# Altium PCB PROC114E3_BRD.PcbDoc (part 5 of 18) (continued)
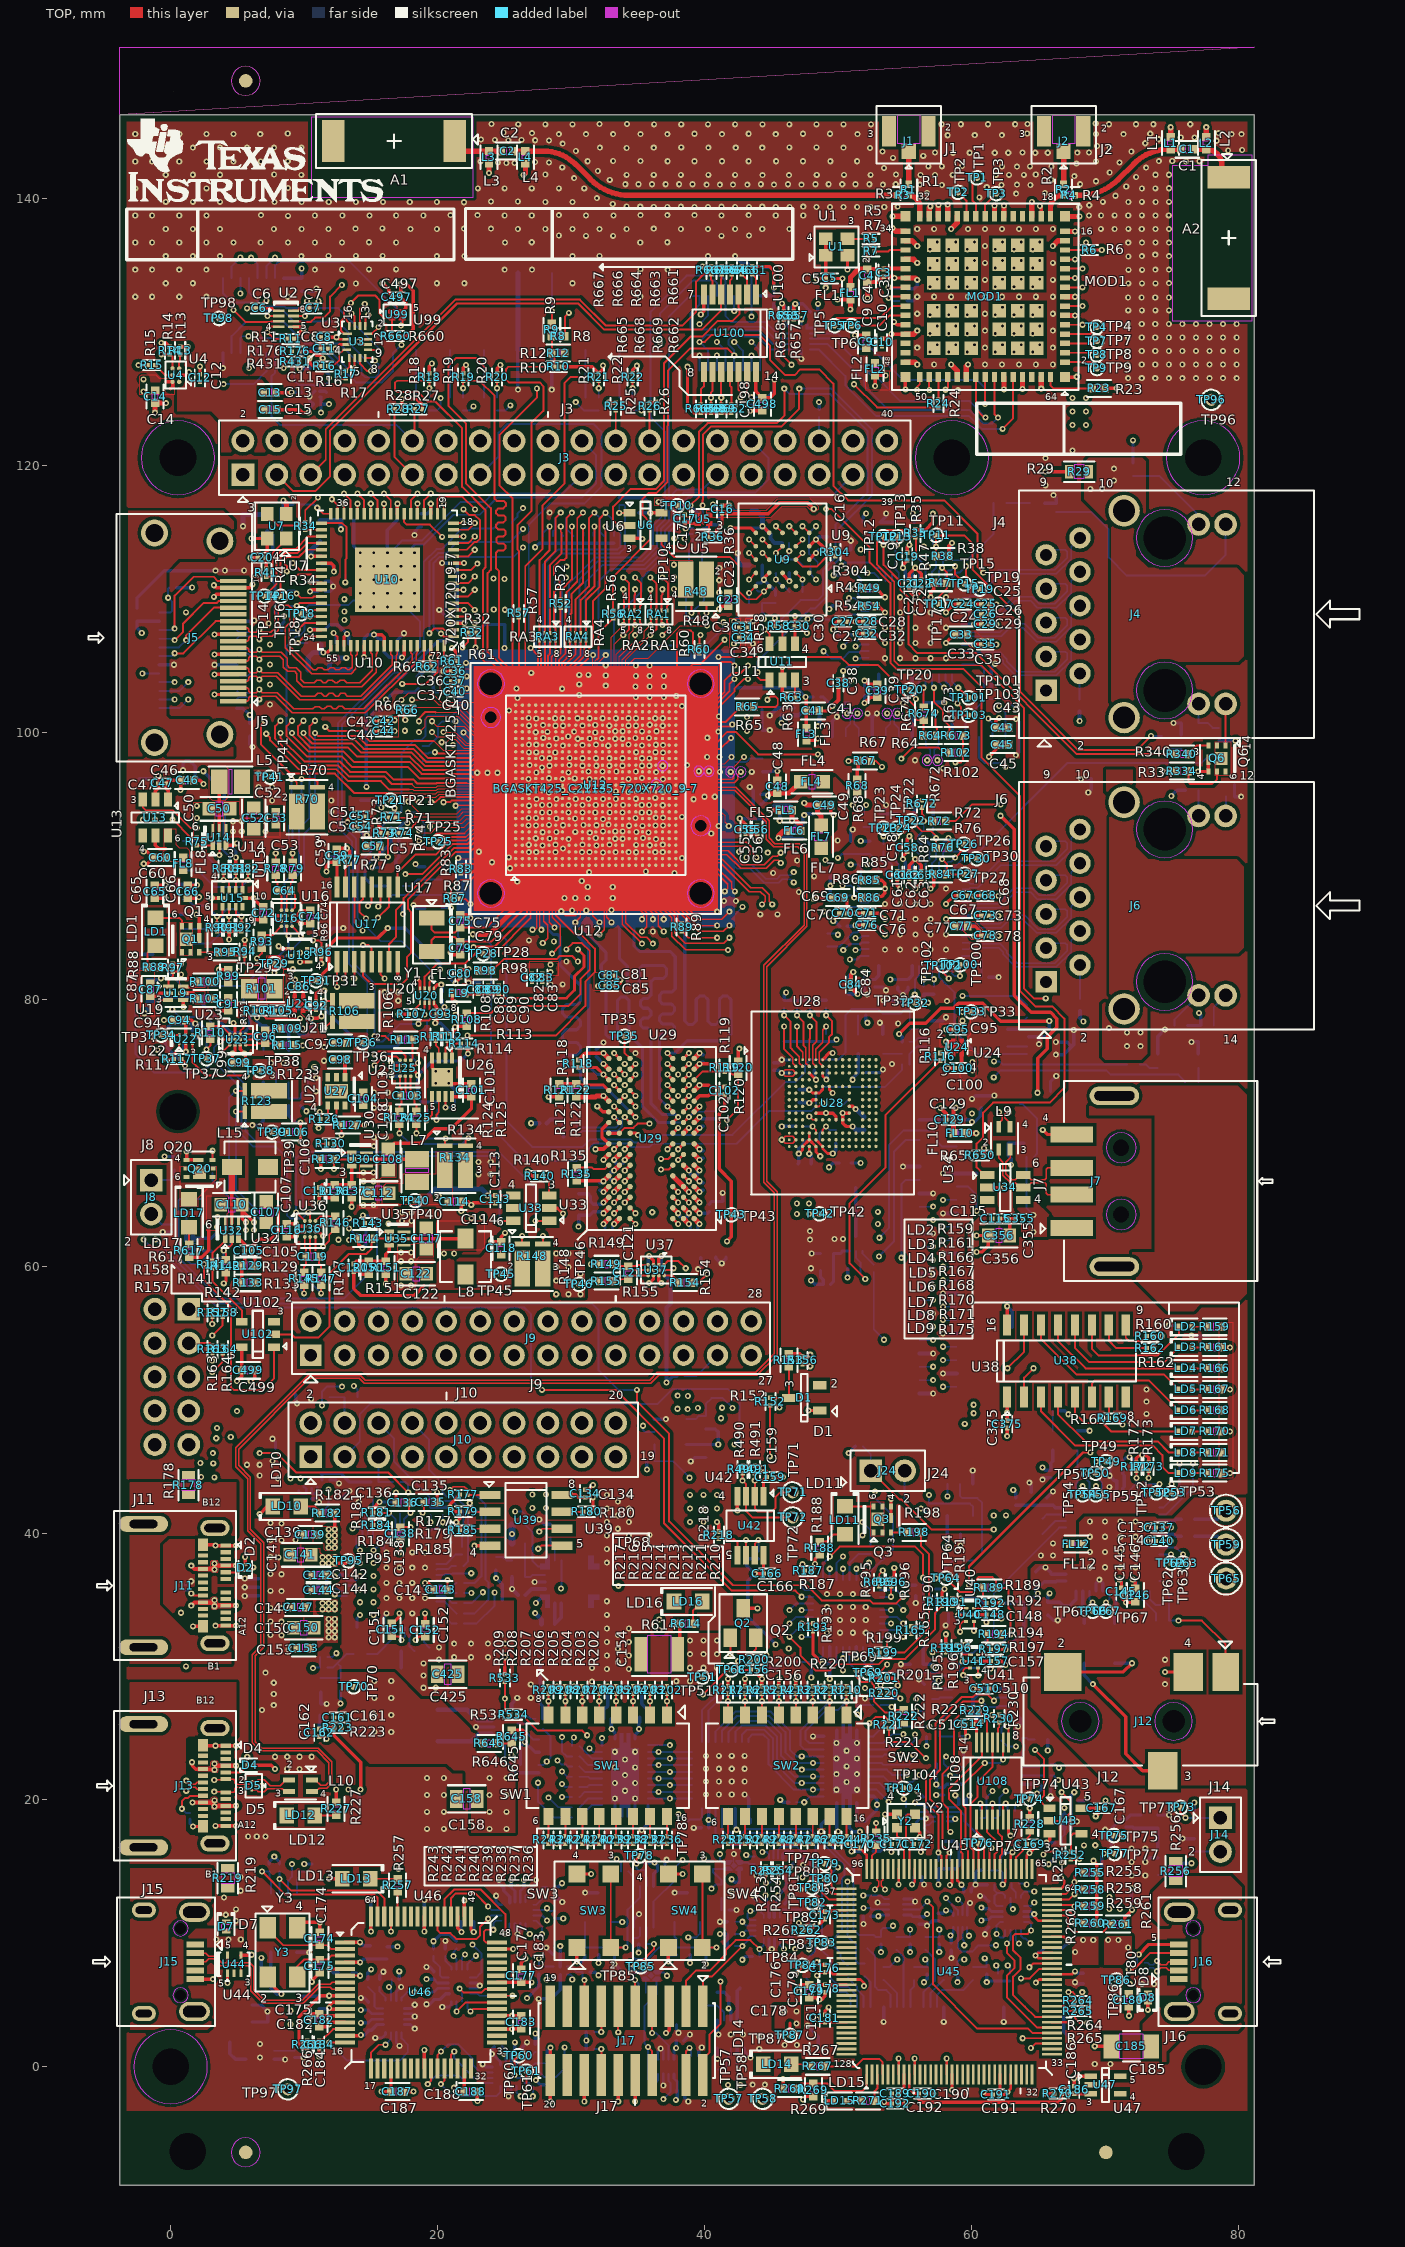
[diagram p0: TOP view]
## Nets (pads, with @x,y where several pads share a name; then routed paths per layer and width w, separated by ;. In a path a pad name is that pad's centre, name@x,y a point inside that pad or via, vN(x,y) a via of type N, cw(c..) or ccw(c..) an arc to the next point about the centre after c; other vN are vias at no path point) (continued)
  L03_SIG1 w0.091: 40.977,53.327 38.379,50.729 38.379,50.096 38.09,49.807 37.793,49.807 37.487,49.501 37.487,48.381 37.022,47.916 37.022,36.459 41.952,31.529 v1(41.952,30.944)
  BOTTOM w0.147: 38.495,51.75 39.4,51.75 40.977,53.327
CPSW1_GPIO_0:  | length 2.6
  BOTTOM w0.147: 78.173,78.04 78.173,79.398 79.069,80.294
CPSW1_LED_1000:  | length 1.4
  BOTTOM w0.147: 79.069,93.744 79.08,93.755 79.08,95.187
CPSW1_LED_ACT:  | length 3
  BOTTOM w0.147: 75.235,78.04 75.235,78.492 77.037,80.294
CPSW2_GPIO_0:  | length 6.9
  TOP w0.147: 76.275,97.106 76.275,96.267 76.403,96.139 78.054,96.139 78.419,96.504 78.419,97.072 ; 79.069,99.023 79.069,102.138
CPSW2_LED_1000:  | length 18.9
  BOTTOM w0.147: 66.368,116.535 68.985,116.535 70.296,115.225 70.296,113.116 71.667,111.745 77.509,111.745 79.069,113.305 79.069,115.588
CPSW2_LED_ACT:  | length 3.1
  BOTTOM w0.147: 77.037,102.138 77.037,100.715 77.042,100.711 77.72,100.711 78.083,100.348 78.576,100.348
CPSW_ETH1_D0N:  | length 11.2
  BOTTOM w0.108: 59.317,88.253 59.812,88.253 59.917,88.358 60.502,88.358 62.193,90.049 66.38,90.049 67.476,91.145 67.476,92.063 68.147,92.734
CPSW_ETH1_D0P:  | length 11.2
  BOTTOM w0.108: 59.317,88.753 59.812,88.753 59.917,88.648 60.381,88.648 62.073,90.339 66.26,90.339 67.187,91.266 67.187,91.698 67.053,91.831 65.974,91.831 65.607,91.464
CPSW_ETH1_D1M:  | length 11.2
  BOTTOM w0.108: 59.317,86.753 59.812,86.753 59.917,86.858 62.151,86.858 63.314,88.021 64.45,88.021 64.962,87.509 66.38,87.509 67.476,88.605 67.476,89.523 68.147,90.194
CPSW_ETH1_D1P:  | length 11.2
  BOTTOM w0.108: 59.317,87.253 59.812,87.253 59.917,87.148 62.031,87.148 63.194,88.311 64.571,88.311 65.082,87.799 66.26,87.799 67.187,88.726 67.187,89.158 67.053,89.291 65.974,89.291 65.607,88.924
CPSW_ETH1_D2M:  | length 11.2
  BOTTOM w0.108: 59.317,85.253 59.812,85.253 59.917,85.358 62.251,85.358 62.898,86.004 63.876,86.004 64.911,84.969 66.38,84.969 67.476,86.065 67.476,86.983 68.147,87.654
CPSW_ETH1_D2P:  | length 11.2
  BOTTOM w0.108: 59.317,85.753 59.812,85.753 59.917,85.648 62.131,85.648 62.777,86.294 63.997,86.294 65.032,85.259 66.26,85.259 67.187,86.186 67.187,86.618 67.053,86.751 65.974,86.751 65.607,86.384
CPSW_ETH1_D3M:  | length 11.2
  BOTTOM w0.108: 59.317,83.753 59.812,83.753 59.917,83.858 62.06,83.858 62.386,83.532 62.386,83.357 63.314,82.429 66.38,82.429 67.476,83.525 67.476,84.443 68.147,85.114
CPSW_ETH1_D3P:  | length 11.2
  BOTTOM w0.108: 59.317,84.253 59.812,84.253 59.917,84.148 62.18,84.148 62.676,83.652 62.676,83.478 63.434,82.719 66.26,82.719 67.187,83.646 67.187,84.078 67.053,84.211 65.974,84.211 65.607,83.844
CPSW_ETH1_GPIO_0:  | length 43.9
  TOP w0.147: v1(53.43,92.217) 53.43,92.826
  L03_SIG1 w0.091: v1(53.43,92.217) 53.857,92.644 58.918,92.644 61.507,90.054 61.507,84.16 61.646,84.022 61.646,78.129 62.092,77.683 62.092,74.585 61.685,74.178 v1(61.685,74.153)
  BOTTOM w0.147: 51.906,92.928 53.176,92.928 53.176,92.471 v1(53.43,92.217) 53.43,91.62 ; v1(61.685,74.153) 62.183,74.651 70.138,74.651 70.438,74.351 75.522,74.351 76.035,73.837 76.035,73.799
CPSW_ETH1_GPIO_1:  | length 3.2
  TOP w0.147: v1(54.446,92.217) 54.446,92.826
  BOTTOM w0.147: 54.319,91.62 54.319,92.09 v1(54.446,92.217) 54.446,92.928 55.716,92.928
CPSW_ETH1_LED0:  | length 2.8
  TOP w0.147: v1(58.79,90.612) 59.45,91.272 59.45,91.628
  BOTTOM w0.147: 58.066,89.503 58.066,90.084 58.29,90.307 58.485,90.307 v1(58.79,90.612)
CPSW_ETH1_LED_1000:  | length 28.2
  TOP w0.147: v1(57.821,90.501) 58.171,90.151 58.171,89.371 58.625,89.371 58.629,89.367 59.501,89.367
  BOTTOM w0.147: 57.567,89.503 57.567,90.247 v1(57.821,90.501) 57.875,90.556 57.875,91.06 60.558,91.06 67.212,97.714 77.267,97.714 77.833,98.28 78.75,98.28
CPSW_ETH1_LED_ACT:  | length 36.3
  TOP w0.147: 55.488,93.381 56.275,92.593 56.986,92.593 57.366,92.213 v1(57.366,92.07) 57.366,91.346
  L03_SIG1 w0.091: v1(57.366,92.07) 58.443,90.993 59.934,90.993 61.265,89.662 61.265,84.022 61.407,83.88 61.407,77.961 61.711,77.658 v1(61.711,75.347)
  BOTTOM w0.147: 57.066,89.503 57.066,90.21 57.366,90.509 v1(57.366,92.07) 57.12,92.316 57.12,92.838 57.14,92.858 ; v1(61.711,75.347) 62.114,75.347 62.345,75.116 71.657,75.116
CPSW_ETH2_D0N:  | length 11.2
  BOTTOM w0.108: 59.317,110.097 59.812,110.097 59.917,110.202 60.502,110.202 62.193,111.893 66.38,111.893 67.476,112.989 67.476,113.907 68.147,114.578
CPSW_ETH2_D0P:  | length 11.2
  BOTTOM w0.108: 59.317,110.597 59.812,110.597 59.917,110.492 60.381,110.492 62.073,112.183 66.26,112.183 67.187,113.11 67.187,113.542 67.053,113.675 65.974,113.675 65.607,113.308
CPSW_ETH2_D1M:  | length 11.2
  BOTTOM w0.108: 59.317,108.597 59.812,108.597 59.917,108.702 62.151,108.702 63.314,109.865 64.45,109.865 64.962,109.353 66.38,109.353 67.476,110.449 67.476,111.367 68.147,112.038
CPSW_ETH2_D1P:  | length 11.2
  BOTTOM w0.108: 59.317,109.097 59.812,109.097 59.917,108.992 62.031,108.992 63.194,110.155 64.571,110.155 65.082,109.643 66.26,109.643 67.187,110.57 67.187,111.002 67.053,111.135 65.974,111.135 65.607,110.768
CPSW_ETH2_D2M:  | length 11.2
  BOTTOM w0.108: 59.317,107.097 59.812,107.097 59.917,107.202 62.251,107.202 62.898,107.848 63.876,107.848 64.911,106.813 66.38,106.813 67.476,107.909 67.476,108.827 68.147,109.498
CPSW_ETH2_D2P:  | length 11.2
  BOTTOM w0.108: 59.317,107.597 59.812,107.597 59.917,107.492 62.131,107.492 62.777,108.138 63.997,108.138 65.032,107.103 66.26,107.103 67.187,108.03 67.187,108.462 67.053,108.595 65.974,108.595 65.607,108.228
CPSW_ETH2_D3M:  | length 11.2
  BOTTOM w0.108: 59.317,105.597 59.812,105.597 59.917,105.702 62.06,105.702 62.386,105.376 62.386,105.201 63.314,104.273 66.38,104.273 67.476,105.369 67.476,106.287 68.147,106.958
CPSW_ETH2_D3P:  | length 11.2
  BOTTOM w0.108: 59.317,106.097 59.812,106.097 59.917,105.992 62.18,105.992 62.676,105.496 62.676,105.322 63.434,104.563 66.26,104.563 67.187,105.49 67.187,105.922 67.053,106.055 65.974,106.055 65.607,105.688
CPSW_ETH2_GPIO_0:  | length 34.9
  TOP w0.147: 53.43,114.67 v1(53.43,114.061) 53.43,112.56 54.679,111.311 54.679,110.7 55.303,110.075 55.303,106.596 55.931,105.968 60.321,105.968 67.913,98.376 75.295,98.376
  BOTTOM w0.147: 51.906,114.772 53.176,114.772 53.176,114.315 v1(53.43,114.061) 53.43,113.464
CPSW_ETH2_GPIO_1:  | length 3.2
  TOP w0.147: v1(54.446,114.061) 54.446,114.67
  BOTTOM w0.147: 54.319,113.464 54.319,113.934 v1(54.446,114.061) 54.446,114.772 55.716,114.772
CPSW_ETH2_LED0:  | length 3.1
  TOP w0.147: v1(58.79,112.456) 58.79,111.841 59.501,111.129
  BOTTOM w0.147: 58.066,111.347 58.066,111.928 58.29,112.151 58.485,112.151 v1(58.79,112.456)
CPSW_ETH2_LED_1000:  | length 11.7
  TOP w0.147: 57.57,109.611 57.57,110.172 58.171,110.773 58.171,111.215 58.171,111.995 v1(57.821,112.345)
  BOTTOM w0.147: 57.567,111.347 57.567,112.091 v1(57.821,112.345) 57.875,112.4 57.875,112.904 59.695,112.904 61.654,114.863 61.654,117.185
CPSW_ETH2_LED_ACT:  | length 33.6
  TOP w0.147: 57.366,113.19 v1(57.366,113.914) 57.366,114.318 57.367,114.319 57.367,114.767 59.481,114.767 60.106,114.143 60.106,112.194 63.66,108.64 63.66,103.053 68.034,98.679 72.415,98.679 v1(73.477,99.74)
  BOTTOM w0.147: 57.066,111.347 57.066,112.054 57.366,112.353 v1(57.366,113.914) 57.12,114.16 57.12,114.702 ; v1(73.477,99.74) 74.288,99.74
CPSW_RGMII1_ETH1_CLK:  | length 11.5
  BOTTOM w0.147: 57.567,82.503 57.567,81.696 58.739,80.524 58.739,77.633 60.475,75.896 64.195,75.896
CPSW_RGMII1_ETH1_CLK_OUT:  | length 2.9
  TOP w0.147: v1(55.767,80.35) 55.767,79.737 55.783,79.72
  BOTTOM w0.147: v1(55.767,80.35) 55.767,81.468 56.066,81.767 56.066,82.503
CPSW_RGMII1_ETH1_RBIAS:  | length 2.9
  BOTTOM w0.147: 59.317,83.253 60.441,83.253 60.759,82.935 60.759,82.418 60.759,81.656
CPSW_RGMII1_MDC:  | length 25.2
  TOP w0.147: v1(54.761,98.034) 55.586,98.859 57.558,98.859 57.931,98.487 58.385,98.487
  L08_SIG2 w0.091: v1(54.761,98.034) 55.121,97.674 55.121,93.977 56.838,92.26 56.838,89.07 56.56,88.792 56.56,83.181 56.045,82.665 56.045,81.234 56.274,81.005 56.698,81.005 v1(57.197,81.505)
  BOTTOM w0.147: 57.066,82.503 57.066,81.636 v1(57.197,81.505) 57.197,80.946
CPSW_RGMII1_MDIO:  | length 25.3
  TOP w0.147: v1(57.334,101.527) 57.334,100.449 57.411,100.372 57.411,100.325 57.415,100.321 57.415,99.757
  L08_SIG2 w0.091: v1(56.435,81.505) 57.501,82.57 57.501,82.662 57.504,82.666 57.504,89.573 57.304,89.774 57.304,91.319 57.806,91.821 57.806,95.717 56.258,97.265 56.258,100.451 v1(57.334,101.527)
  BOTTOM w0.147: 56.435,80.946 v1(56.435,81.505) 56.567,81.636 56.567,82.503
CPSW_RGMII1_RD0:  | length 28.8
  TOP w0.102: 36.36,98.045 36.454,98.045 v1(36.895,98.486)
  TOP w0.147: v1(51.22,87.616) 51.881,87.616
  L08_SIG2 w0.091: v1(36.895,98.486) 37.164,98.217 38.759,98.217 39.47,98.928 45.183,98.928 46.345,97.766 47.787,97.766 48.119,97.434 48.886,97.434 49.059,97.261 49.059,96.004 50.933,94.13 51.594,94.13 52.091,93.633 52.091,90.54 51.789,90.239 51.789,88.819 50.858,87.888 50.858,87.707 50.95,87.616 v1(51.22,87.616)
  BOTTOM w0.147: 50.509,87.768 51.069,87.768 v1(51.22,87.616) 51.346,87.616 51.709,87.253 52.316,87.253
CPSW_RGMII1_RD1:  | length 27.5
  TOP w0.081: 36.86,98.045 37.111,97.794 38.176,97.794 38.345,97.963 39.145,97.963 39.663,97.445 42.249,97.445 v1(42.968,98.164)
  L08_SIG2 w0.091: v1(42.968,98.164) 43.18,97.951 44.08,97.951 44.384,97.648 44.558,97.648 44.841,97.931 45.015,97.931 45.138,97.808 45.138,97.635 44.854,97.351 44.854,97.177 45.51,96.522 45.953,96.522 46.076,96.645 46.076,96.82 46.198,96.943 46.372,96.943 46.495,96.82 46.495,96.645 46.617,96.522 46.792,96.522 47.147,96.877 47.512,96.877 47.778,96.611 48.062,96.611 48.236,96.437 48.236,95.663 49.273,94.625 49.273,93.307 50.529,92.051 50.529,89.073 50.757,88.845 50.757,88.218 50.628,88.09 50.176,88.09 50.088,88.179 50.088,88.426 50.179,88.517 v1(50.352,88.517)
  BOTTOM w0.147: v1(50.352,88.517) 51.004,88.517 51.768,87.753 52.316,87.753
CPSW_RGMII1_RD2:  | length 28.9
  TOP w0.102: v1(35.876,97.503) 35.918,97.545 36.36,97.545
  TOP w0.147: v1(51.22,88.923) 51.881,88.923
  L08_SIG2 w0.091: v1(35.876,97.503) 36.407,98.034 39.16,98.034 39.828,98.702 43.191,98.702 43.239,98.654 45.069,98.654 46.231,97.492 47.674,97.492 48.005,97.16 48.602,97.16 48.785,96.977 48.785,95.891 50.82,93.856 51.48,93.856 51.817,93.519 51.817,92.492 51.241,91.915 51.241,91.407 51.373,91.274 51.725,91.274 51.817,91.183 51.817,90.654 51.673,90.51 51.449,90.51 51.347,90.409 51.347,89.663 51.256,89.572 50.917,89.572 50.826,89.48 50.826,89.318 v1(51.22,88.923)
  BOTTOM w0.147: 50.509,89.266 50.877,89.266 v1(51.22,88.923) 51.5,88.644 51.5,88.542 51.789,88.253 52.316,88.253
CPSW_RGMII1_RD3:  | length 27.4
  TOP w0.102: 35.86,97.045 36.36,97.045 36.38,97.025 36.386,97.025 v1(36.388,97.023)
  L08_SIG2 w0.091: v1(36.388,97.023) 36.476,97.112 37.443,97.112 37.566,97.234 37.566,97.552 37.689,97.675 37.863,97.675 37.985,97.552 37.985,97.234 38.108,97.112 38.77,97.112 39.206,97.548 39.206,97.668 40.058,98.519 43.115,98.519 43.255,98.38 44.955,98.38 46.118,97.217 47.56,97.217 47.891,96.886 48.176,96.886 48.51,96.551 48.51,95.777 50.345,93.942 50.345,93.769 49.862,93.287 49.862,93.113 49.985,92.99 50.159,92.99 50.75,93.581 51.295,93.581 51.542,93.333 51.542,92.605 50.966,92.029 v1(50.966,90.091)
  BOTTOM w0.147: v1(50.966,90.091) 51.554,90.091 51.728,89.916 51.728,89.082 52.058,88.753 52.316,88.753
CPSW_RGMII1_RESETN:  | length 67.5
  TOP w0.147: v1(60.192,32.675) 60.192,33.362
  L08_SIG2 w0.091: v1(55.805,91.416) 56.322,90.898 56.322,83.504 55.783,82.965 55.783,81.168 56.377,80.575 58.363,80.575 58.776,80.162 58.776,73.787 59.232,73.331 59.232,70.004 61.112,68.123 61.112,48.045 59.157,46.09 59.157,39.777 60.35,38.583 60.35,32.833 v1(60.192,32.675)
  BOTTOM w0.147: v1(55.805,91.416) 55.805,91.184 56.259,90.729 56.259,90.292 56.066,90.099 56.066,89.503 ; v1(60.192,32.675) 60.212,32.695 60.212,33.411
CPSW_RGMII1_RX_CTL:  | length 27.4
  TOP w0.081: 37.86,98.045 38.13,98.045 38.225,98.141 39.272,98.141 39.765,97.648 41.518,97.648 v1(42.034,98.164)
  L08_SIG2 w0.091: v1(42.034,98.164) 42.034,97.617 42.198,97.452 44.131,97.452 45.721,95.863 46.005,95.863 46.128,95.985 46.128,96.125 46.251,96.248 46.425,96.248 46.547,96.125 46.547,95.985 46.67,95.863 46.844,95.863 46.966,95.985 46.966,96.308 47.222,96.564 47.437,96.564 47.615,96.386 47.615,95.896 48.527,94.984 48.527,94.512 48.649,94.389 48.876,94.389 48.999,94.266 48.999,94.093 48.876,93.97 48.649,93.97 48.527,93.847 48.527,93.673 48.649,93.551 48.876,93.551 48.999,93.428 48.999,93.254 48.876,93.132 48.649,93.132 48.527,93.009 48.527,92.466 48.658,92.335 48.81,92.335 49.24,92.766 49.382,92.766 49.571,92.577 49.571,92.448 48.952,91.829 48.952,91.65 49.095,91.507 49.269,91.507 49.441,91.679 49.625,91.679 49.748,91.557 49.748,91.393 49.565,91.21 49.565,91.037 v1(50.002,90.599)
  BOTTOM w0.147: v1(50.002,90.599) 50.281,90.878 50.966,90.878 52.414,90.878 52.807,90.485 53.125,90.485 53.567,90.044 53.567,89.503
CPSW_RGMII1_RXC:  | length 25.7
  TOP w0.081: 37.361,98.045 37.612,98.296 37.964,98.296 38.027,98.359 39.359,98.359 39.907,97.81 40.766,97.81 v1(41.12,98.164)
  L08_SIG2 w0.091: v1(41.12,98.164) 41.616,97.667 41.616,96.9 41.864,96.652 44.347,96.652 45.41,95.588 47.534,95.588 48.252,94.87 48.252,91.781 49.813,90.22 49.813,89.969 49.691,89.846 49,89.846 48.877,89.723 48.877,89.549 49,89.427 49.691,89.427 49.813,89.304 49.813,88.083 49.691,87.961 49.415,87.961 49.293,87.838 49.293,87.664 49.415,87.542 49.691,87.542 49.813,87.419 49.813,87.08 49.324,86.591 v1(48.92,86.591)
  BOTTOM w0.147: v1(48.92,86.591) 49.496,86.591 49.529,86.625
CPSW_RGMII1_TD0:  | length 38.5
  TOP w0.147: 37.86,99.545 39.224,99.545 39.739,100.061 v1(41.043,100.061)
  L08_SIG2 w0.091: v1(41.043,100.061) 42.407,100.061 42.716,99.751 45.653,99.751 46.232,99.172 46.595,99.172 46.717,99.294 46.717,99.613 46.84,99.736 47.014,99.736 47.136,99.613 47.136,99.294 47.259,99.172 47.433,99.172 47.555,99.294 47.555,99.613 47.678,99.736 47.852,99.736 47.975,99.613 47.975,99.294 48.097,99.172 49.068,99.172 49.19,99.294 49.19,99.613 49.313,99.736 49.487,99.736 49.61,99.613 49.61,99.294 49.732,99.172 49.906,99.172 50.029,99.294 50.029,99.613 50.151,99.736 50.325,99.736 50.448,99.613 50.448,99.294 50.57,99.172 50.744,99.172 50.867,99.294 50.867,99.613 50.989,99.736 51.163,99.736 51.286,99.613 51.286,99.294 51.409,99.172 52.256,99.172 54.143,97.285 54.143,92.446 53.995,92.298 53.995,84.646 53.746,84.397 51.523,84.397 v1(51.318,84.601)
  BOTTOM w0.147: v1(51.318,84.601) 51.661,84.601 51.813,84.753 52.316,84.753
CPSW_RGMII1_TD1:  | length 38.5
  TOP w0.081: 37.361,99.545 37.611,99.795 38.139,99.795
  TOP w0.147: 38.139,99.795 39.137,99.795 39.786,100.444 41.94,100.444 v1(42.087,100.592)
  L08_SIG2 w0.091: v1(42.087,100.592) 45.201,100.592 45.782,100.01 51.806,100.01 54.822,96.994 54.822,91.029 54.27,90.477 54.27,84.455 53.937,84.122 50.84,84.122 v1(50.404,83.686)
  BOTTOM w0.147: v1(50.404,83.686) 50.853,84.135 51.678,84.135 51.796,84.253 52.316,84.253
CPSW_RGMII1_TD2:  | length 38.4
  TOP w0.081: 37.86,98.545 39.503,98.545
  TOP w0.147: 39.503,98.545 39.884,98.164 v1(40.205,98.164)
  L08_SIG2 w0.091: v1(40.205,98.164) 40.756,97.613 40.756,96.947 41.325,96.378 44.233,96.378 45.297,95.314 47.421,95.314 47.944,94.791 47.944,91.557 48.603,90.898 48.603,87.094 48.471,86.962 48.471,85.26 49.315,84.416 49.315,83.654 50.419,82.55 52.08,82.55 52.541,82.089 53.107,82.089 53.23,82.212 53.23,82.774 53.352,82.897 53.526,82.897 53.649,82.774 53.649,82.212 53.771,82.089 54.856,82.089 55.124,82.357 55.124,83.076 54.955,83.245 52.781,83.245 52.68,83.346 52.68,83.591 52.553,83.718 52.288,83.718 52.197,83.627 52.197,83.388 52.053,83.245 51.41,83.245 51.318,83.336 v1(51.318,83.686)
  BOTTOM w0.147: v1(51.318,83.686) 51.662,83.686 51.728,83.753 52.316,83.753
CPSW_RGMII1_TD3:  | length 38.3
  TOP w0.081: 37.361,98.545 37.611,98.795 38.165,98.795
  TOP w0.147: 38.165,98.795 39.882,98.795 39.91,98.768 41.19,98.768 v1(42,99.578)
  L08_SIG2 w0.091: v1(42,99.578) 42.63,99.578 42.732,99.477 45.48,99.477 46.072,98.885 47.445,98.885 48.347,97.983 48.659,97.983 49.175,98.5 51.235,98.5 52.64,97.095 52.64,96.675 52.517,96.553 52.144,96.553 52.022,96.43 52.022,96.256 52.144,96.133 52.517,96.133 52.64,96.011 52.64,95.837 52.517,95.714 52.144,95.714 52.022,95.592 52.022,95.418 52.144,95.295 52.517,95.295 52.64,95.173 52.64,88.354 52.424,88.138 51.994,88.138 51.777,87.921 51.777,87.491 51.358,87.072 51.029,87.072 50.8,86.843 50.8,86.514 50.632,86.346 49.513,86.346 49.044,85.877 49.044,85.144 49.59,84.599 49.59,83.887 50.495,82.982 v1(50.902,82.982)
  BOTTOM w0.147: v1(50.902,82.982) 51.439,82.982 51.71,83.253 52.316,83.253
CPSW_RGMII1_TX_CTL:  | length 38.2
  TOP w0.081: 37.361,99.045 37.611,99.295 38.343,99.295
  TOP w0.147: 38.343,99.295 39.381,99.295 39.69,99.604 v1(40.222,99.604)
  L08_SIG2 w0.091: v1(40.222,99.604) 40.623,99.202 45.297,99.202 45.93,98.57 46.469,98.57 46.591,98.447 46.591,98.163 46.714,98.04 46.888,98.04 47.011,98.163 47.011,98.447 47.133,98.57 47.372,98.57 48.233,97.709 48.772,97.709 49.289,98.226 49.482,98.226 49.573,98.134 49.573,97.708 49.696,97.586 49.87,97.586 49.992,97.708 49.992,98.071 50.147,98.226 51.121,98.226 51.717,97.63 51.717,97.432 51.602,97.317 49.456,97.317 49.333,97.194 49.333,97.02 49.456,96.897 51.587,96.897 51.717,96.767 51.717,96.593 51.602,96.478 49.456,96.478 49.333,96.356 49.333,96.182 49.456,96.059 51.587,96.059 51.717,95.929 51.717,95.755 51.594,95.633 50.412,95.633 50.289,95.51 50.289,95.336 50.412,95.213 51.594,95.213 51.717,95.091 51.717,94.395 52.365,93.747 52.365,90.245 v1(52.211,90.091)
  BOTTOM w0.147: v1(52.211,90.091) 52.732,90.091 53.066,89.757 53.066,89.503
CPSW_RGMII1_TXC:  | length 3.6
  BOTTOM w0.147: 49.209,83.947 50.094,83.947 51.151,85.005 51.451,85.005 51.699,85.253 52.316,85.253
CPSW_RGMII2_ETH2_CLK:  | length 31.1
  L08_SIG2 w0.091: v1(57.963,103.349) 58.511,102.801 58.511,101.715 59.182,101.044 59.182,91.861 59.983,91.059 59.983,90.256 59.346,89.619 59.346,82.89 59.653,82.583 59.653,80.566 v1(59.346,80.259)
  BOTTOM w0.147: 57.567,104.347 57.567,103.746 v1(57.963,103.349) ; v1(59.346,80.259) 63.478,80.259 64.195,79.543 64.195,79.208
CPSW_RGMII2_ETH2_CLK_OUT:  | length 2.8
  TOP w0.147: 55.361,103.185 55.361,102.999 v1(55.85,102.51)
  BOTTOM w0.147: v1(55.85,102.51) 55.85,103.039 55.945,103.134 55.945,103.617 56.066,103.738 56.066,104.347
CPSW_RGMII2_ETH2_RBIAS:  | length 3.1
  BOTTOM w0.147: 59.317,105.097 60.573,105.097 60.95,104.721 60.95,104.135 60.95,103.373
CPSW_RGMII2_MDC:  | length 5.7
  TOP w0.147: v1(57.197,103.349) 57.197,102.296 57.885,101.609 57.885,100.946 58.385,100.446 58.385,99.757
  BOTTOM w0.147: 57.066,104.347 57.066,103.48 v1(57.197,103.349) 57.197,102.79
CPSW_RGMII2_MDIO:  | length 3.1
  TOP w0.147: 56.435,101.892 v1(56.435,103.349)
  BOTTOM w0.147: 56.435,102.79 v1(56.435,103.349) 56.567,103.48 56.567,104.347
CPSW_RGMII2_RD0:  | length 26.4
  TOP w0.147: 37.86,101.045 38.489,101.045 39.409,101.966 40.432,101.966 41.518,103.051 41.518,103.896 42.076,104.455 42.711,104.455 v1(43.27,105.014) ; v1(51.195,109.376) 51.239,109.376 51.323,109.46 51.881,109.46
  L08_SIG2 w0.091: v1(43.27,105.014) 45.251,105.014 45.587,105.349 46.426,105.349 46.619,105.542 46.619,105.672 46.174,106.117 46.174,106.291 46.297,106.413 46.471,106.413 46.901,105.983 47.06,105.983 47.188,106.112 47.188,106.279 46.767,106.701 46.767,106.883 46.89,107.006 47.063,107.006 47.477,106.592 47.669,106.592 48.442,107.365 48.442,107.511 48.143,107.81 48.143,107.984 48.266,108.106 48.439,108.106 48.634,107.912 48.763,107.912 49.022,108.171 49.022,108.3 48.671,108.652 48.671,108.781 48.83,108.94 48.975,108.94 49.253,108.662 49.533,108.662 49.959,109.089 49.959,109.369 49.701,109.627 49.701,109.754 50.055,110.108 50.256,110.108 50.551,109.813 50.551,109.456 50.631,109.376 v1(51.195,109.376)
  BOTTOM w0.147: 50.509,109.485 51.087,109.485 v1(51.195,109.376) 51.366,109.205 51.703,109.205 51.811,109.097 52.316,109.097
CPSW_RGMII2_RD1:  | length 25.1
  TOP w0.147: 36.36,99.545 36.404,99.589 v1(36.404,100.087)
  L08_SIG2 w0.091: v1(36.404,100.087) 36.965,100.087 39.097,102.22 40.324,102.22 41.36,103.256 43.45,103.256 44.04,103.845 45.734,103.845 48.887,106.999 49.464,106.999 51.192,108.726 51.465,108.726 51.845,109.106 51.845,110.674 51.376,111.144 51.015,111.144 50.839,110.969 v1(50.839,110.082)
  BOTTOM w0.147: v1(50.839,110.082) 51.233,110.082 51.717,109.597 52.316,109.597
CPSW_RGMII2_RD2:  | length 26.4
  TOP w0.147: 36.86,100.045 36.86,100.486 v1(36.876,100.502) ; v1(51.22,110.767) 51.252,110.799 51.881,110.799
  L08_SIG2 w0.091: v1(36.876,100.502) 37.797,101.423 37.797,102.073 38.255,102.531 38.255,104.312 39.214,105.27 40.346,105.27 42.086,103.53 43.336,103.53 43.931,104.125 45.59,104.125 49.256,107.791 49.256,107.997 50.259,109 51.351,109 51.571,109.22 51.571,110.414 v1(51.22,110.767)
  BOTTOM w0.147: 50.382,110.798 51.19,110.798 v1(51.22,110.767) 51.5,110.488 51.5,110.349 51.751,110.097 52.316,110.097
CPSW_RGMII2_RD3:  | length 24.9
  TOP w0.147: 37.86,100.545 38.775,100.545 39.662,101.432 40.629,101.432 42.27,103.073 42.27,103.302 42.965,103.998 v1(43.27,103.998)
  L08_SIG2 w0.091: v1(43.27,103.998) 42.855,103.998 42.73,104.122 42.73,105.067 43.032,105.369 44.864,105.369 47.62,108.125 47.897,108.125 48.346,108.575 48.346,108.911 48.205,109.053 48.205,109.227 48.328,109.349 48.501,109.349 48.618,109.232 48.792,109.232 48.915,109.355 48.915,109.529 48.798,109.646 48.798,109.819 48.92,109.942 49.094,109.942 49.211,109.825 49.385,109.825 49.507,109.948 49.507,110.122 49.391,110.239 49.391,110.412 49.513,110.535 49.687,110.535 49.804,110.418 49.978,110.418 50.565,111.006 50.565,112.198 50.813,112.446 51.133,112.446 51.297,112.282 v1(51.297,111.935)
  BOTTOM w0.147: v1(51.297,111.935) 51.728,111.503 51.728,110.926 52.058,110.597 52.316,110.597
CPSW_RGMII2_RESETN:  | length 111.5
  TOP w0.147: v1(55.805,113.26) 55.843,113.298 55.843,114.601 55.805,114.64 55.367,114.64 54.828,115.178 53.172,115.178 52.924,114.931 52.924,112.613 54.229,111.308 54.229,105.387 54.581,105.036 60.74,105.036 63.965,101.81 63.965,80.796 64.69,80.071 v1(65.583,80.071) ; v1(60.521,29.308) 60.521,29.882
  L03_SIG1 w0.091: v1(60.521,29.308) 60.521,31.971 60.833,32.283 60.833,32.868 60.503,33.198 60.503,37.186 66.015,42.698 70.18,42.698 70.829,43.346 70.829,47.864 70.296,48.397 70.296,53.527 66.995,56.828 66.995,78.659 v1(65.583,80.071)
  BOTTOM w0.147: v1(55.805,113.26) 56.259,112.805 56.259,112.136 56.066,111.943 56.066,111.347
CPSW_RGMII2_RX_CTL:  | length 25.3
  TOP w0.081: 37.361,100.545 37.612,100.796 38.165,100.796
  TOP w0.147: 38.165,100.796 38.621,100.796 39.511,101.686 40.476,101.686 41.873,103.084 41.873,103.617 v1(42.254,103.998)
  L08_SIG2 w0.091: v1(42.254,103.998) 41.954,103.998 41.438,104.515 41.438,105.721 41.99,106.274 44.276,106.274 46.278,108.276 46.866,108.276 50.267,111.678 v1(50.267,112.497)
  BOTTOM w0.147: v1(50.267,112.497) 50.493,112.722 50.966,112.722 52.414,112.722 52.807,112.329 53.125,112.329 53.567,111.888 53.567,111.347
CPSW_RGMII2_RXC:  | length 23.3
  TOP w0.081: 37.361,101.045 37.612,101.296 38.204,101.296
  TOP w0.147: 38.204,101.296 38.308,101.296 39.206,102.194 40.337,102.194 41.13,102.987 41.13,105.12 41.278,105.268 42,105.268 v1(42.254,105.014)
  L08_SIG2 w0.091: v1(42.254,105.014) 42.548,104.72 42.548,104.444 42.457,104.353 41.858,104.353 41.62,104.591 41.62,105.645 41.975,106 42.193,106 42.316,105.877 42.316,105.517 42.438,105.395 42.612,105.395 42.735,105.517 42.735,105.877 42.857,106 43.192,106 43.315,105.877 43.315,105.771 43.437,105.649 43.611,105.649 43.734,105.771 43.734,105.877 43.827,105.97 45.076,105.97 45.2,106.093 45.2,106.266 45.015,106.451 45.015,106.624 45.138,106.748 45.311,106.748 45.496,106.563 45.669,106.563 45.792,106.686 45.792,106.859 45.607,107.044 45.607,107.217 45.731,107.34 45.904,107.34 46.089,107.156 46.262,107.156 46.385,107.279 46.385,107.452 46.2,107.637 46.2,107.81 46.392,108.002 46.98,108.002 47.479,108.501 v1(47.741,108.501)
  BOTTOM w0.147: v1(47.741,108.501) 47.773,108.469 49.529,108.469
CPSW_RGMII2_TD0:  | length 26.5
  TOP w0.102: v1(34.884,98.512) 34.917,98.545 35.361,98.545
  L08_SIG2 w0.091: v1(34.884,98.512) 35.574,98.512 35.701,98.638 35.701,99.223 35.498,99.426 35.498,99.751 35.754,100.008 35.978,100.008 36.254,99.732 36.551,99.732 36.724,99.904 37.041,99.904 37.045,99.908 37.047,99.908 39.155,102.017 39.32,102.017 39.459,101.878 39.459,101.647 39.597,101.509 39.793,101.509 39.931,101.647 39.931,101.878 40.07,102.017 40.476,102.017 41.442,102.982 43.564,102.982 44.153,103.571 45.848,103.571 48.834,106.557 49.55,106.557 50.341,107.347 50.471,107.347 50.629,107.189 50.828,107.189 50.942,107.304 50.942,107.805 51.065,107.928 51.836,107.928 51.935,107.829 51.935,107.062 v1(51.318,106.445)
  BOTTOM w0.147: v1(51.318,106.445) 51.582,106.445 51.734,106.597 52.316,106.597
CPSW_RGMII2_TD1:  | length 26.2
  TOP w0.102: 35.86,98.545 36.277,98.545 36.285,98.537 v1(36.336,98.511)
  L08_SIG2 w0.091: v1(36.336,98.511) 36.285,98.537 35.93,98.892 35.93,99.159 36.247,99.477 36.555,99.477 36.718,99.639 37.406,99.639 37.544,99.778 37.544,100.126 37.682,100.264 37.878,100.264 38.016,100.126 38.016,99.778 38.155,99.639 38.48,99.639 38.636,99.795 38.636,99.991 38.12,100.506 38.12,100.702 38.259,100.841 38.454,100.841 38.97,100.325 39.166,100.325 39.304,100.464 39.304,100.659 38.789,101.175 38.789,101.37 38.927,101.509 39.123,101.509 39.638,100.993 39.834,100.993 41.548,102.707 43.678,102.707 44.181,103.21 46.14,103.21 46.267,103.337 46.267,103.541 46.403,103.676 46.716,103.676 46.902,103.863 46.902,104.237 47.049,104.384 47.423,104.384 47.571,104.531 47.571,104.905 47.718,105.053 48.092,105.053 48.239,105.2 48.239,105.574 48.386,105.721 48.76,105.721 48.934,105.895 v1(48.934,106.081)
  BOTTOM w0.147: v1(48.934,106.081) 49.493,105.522 50.357,105.522 50.865,106.03 51.64,106.03 51.707,106.097 52.316,106.097
CPSW_RGMII2_TD2:  | length 26.4
  TOP w0.081: 37.361,100.045 37.611,100.295 38.165,100.295
  TOP w0.147: 38.165,100.295 38.729,100.295 38.913,100.294 39.723,101.105 41.002,101.105 v1(41.086,101.189)
  L08_SIG2 w0.091: v1(41.086,101.189) 41.873,101.976 48.528,101.976 48.976,102.423 49.569,102.423 49.771,102.625 49.771,103.797 49.906,103.932 50.306,103.932 50.491,103.746 50.491,102.292 50.64,102.144 51.465,102.144 51.557,102.235 51.557,102.549 51.457,102.649 51.042,102.649 50.95,102.741 50.95,103.28 51.479,103.81 51.479,104.172 51.31,104.342 50.662,104.342 50.56,104.24 50.157,104.24 49.924,104.473 49.924,105.597 50.279,105.952 50.891,105.952 51.049,105.795 51.054,105.795 v1(51.318,105.53)
  BOTTOM w0.147: v1(51.318,105.53) 51.662,105.53 51.728,105.597 52.316,105.597
CPSW_RGMII2_TD3:  | length 26.4
  TOP w0.147: 36.86,99.545 36.86,99.09 v1(36.902,99.049)
  L08_SIG2 w0.091: v1(36.902,99.049) 37.363,98.588 38.317,98.588 40.532,100.802 41.396,100.802 42.254,101.661 45.353,101.661 45.429,101.585 49.874,101.585 50.109,101.82 52.285,101.82 52.541,102.076 52.541,102.724 52.334,102.931 51.414,102.931 51.264,103.082 51.264,103.206 51.438,103.38 52.304,103.38 52.427,103.503 52.427,104.366 52.177,104.616 v1(50.404,104.616)
  BOTTOM w0.147: v1(50.404,104.616) 50.675,104.887 51.5,104.887 51.71,105.097 52.316,105.097
CPSW_RGMII2_TX_CTL:  | length 26.7
  TOP w0.102: 35.86,99.045 36.288,99.045 36.349,99.078 v1(36.361,99.074)
  L08_SIG2 w0.091: v1(36.361,99.074) 36.424,99.074 36.755,99.405 38.779,99.405 41.807,102.433 43.89,102.433 44.312,102.855 46.282,102.855 50.248,106.821 50.56,106.821 50.831,106.55 50.831,106.401 51.162,106.069 51.488,106.069 52.211,106.792 v1(52.211,111.935)
  BOTTOM w0.147: v1(52.211,111.935) 52.732,111.935 53.066,111.601 53.066,111.347